# Altium PCB STM32F103最小系统板.PcbDoc (part 1 of 2)
Units mm, origin at the board's own origin, x right, y up, seen from the top; angles counter-clockwise.
Board outline 88.77 x 107.95 mm, 2 copper layers (Top Layer, Bottom Layer); 199 components, 158 nets, 632 pads, 213 vias.
Unrouted connection lines stored in the file: 1.
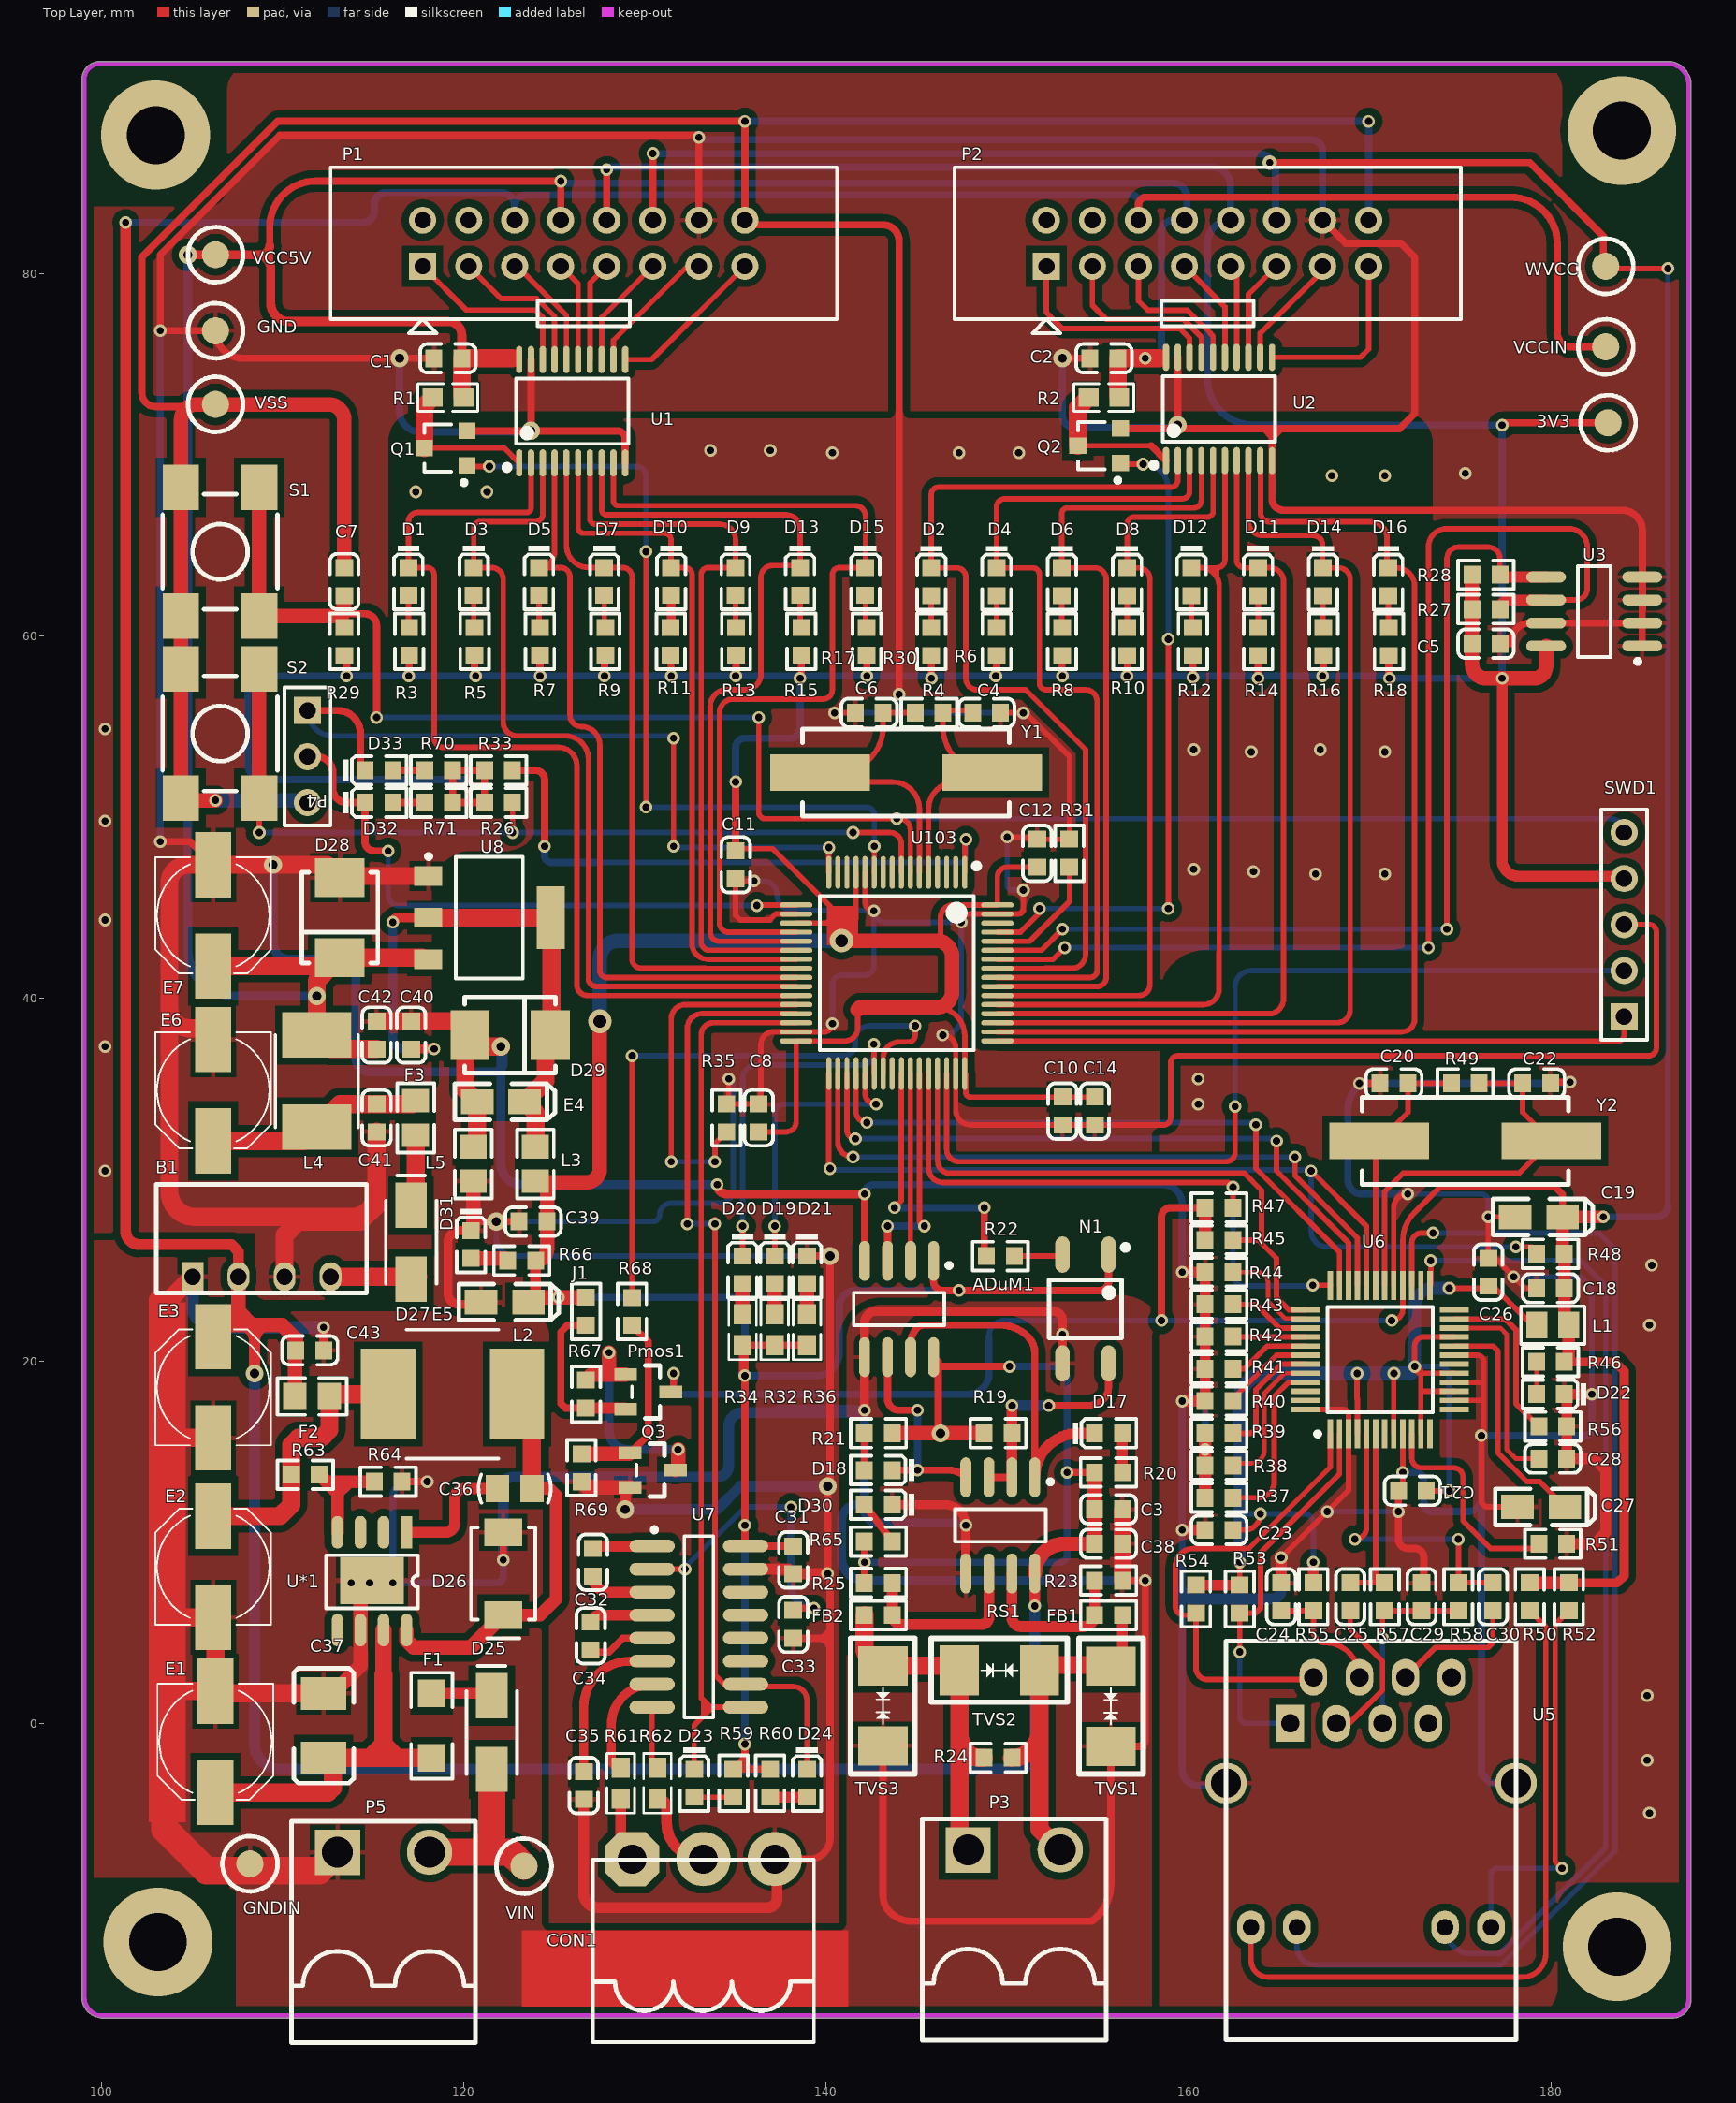
[diagram p0: Top Layer view]
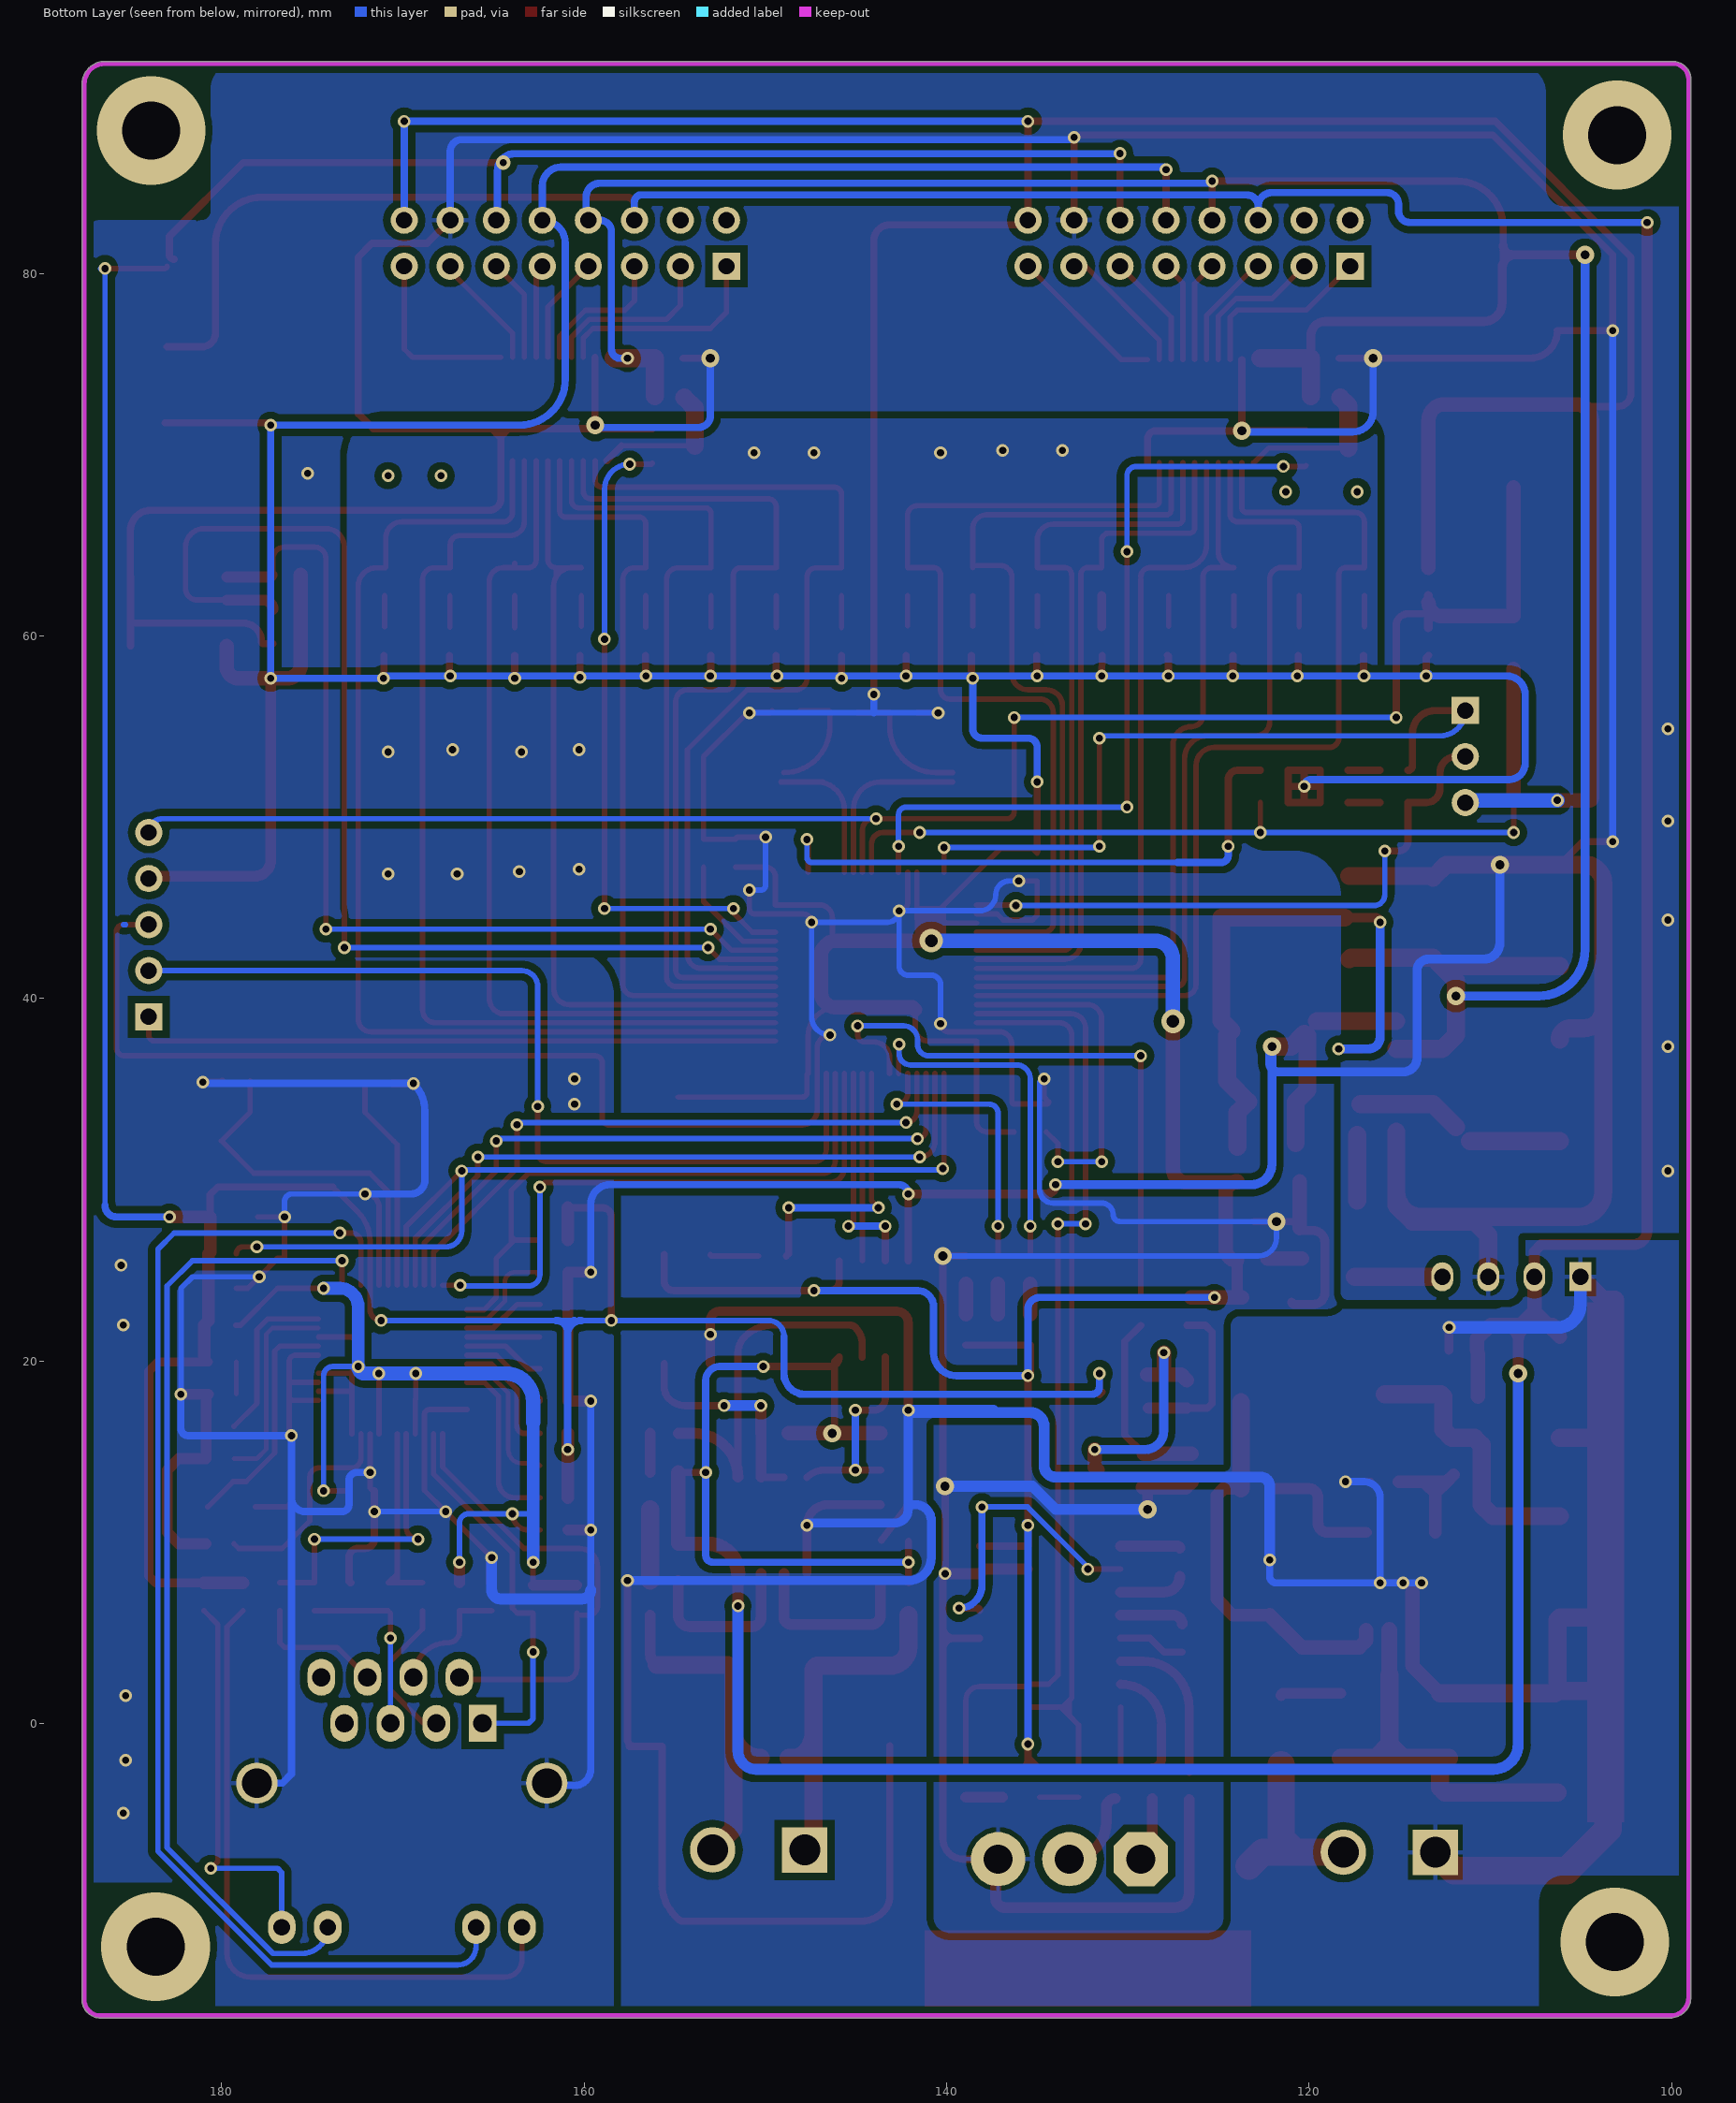
[diagram p1: Bottom Layer view, seen from below]
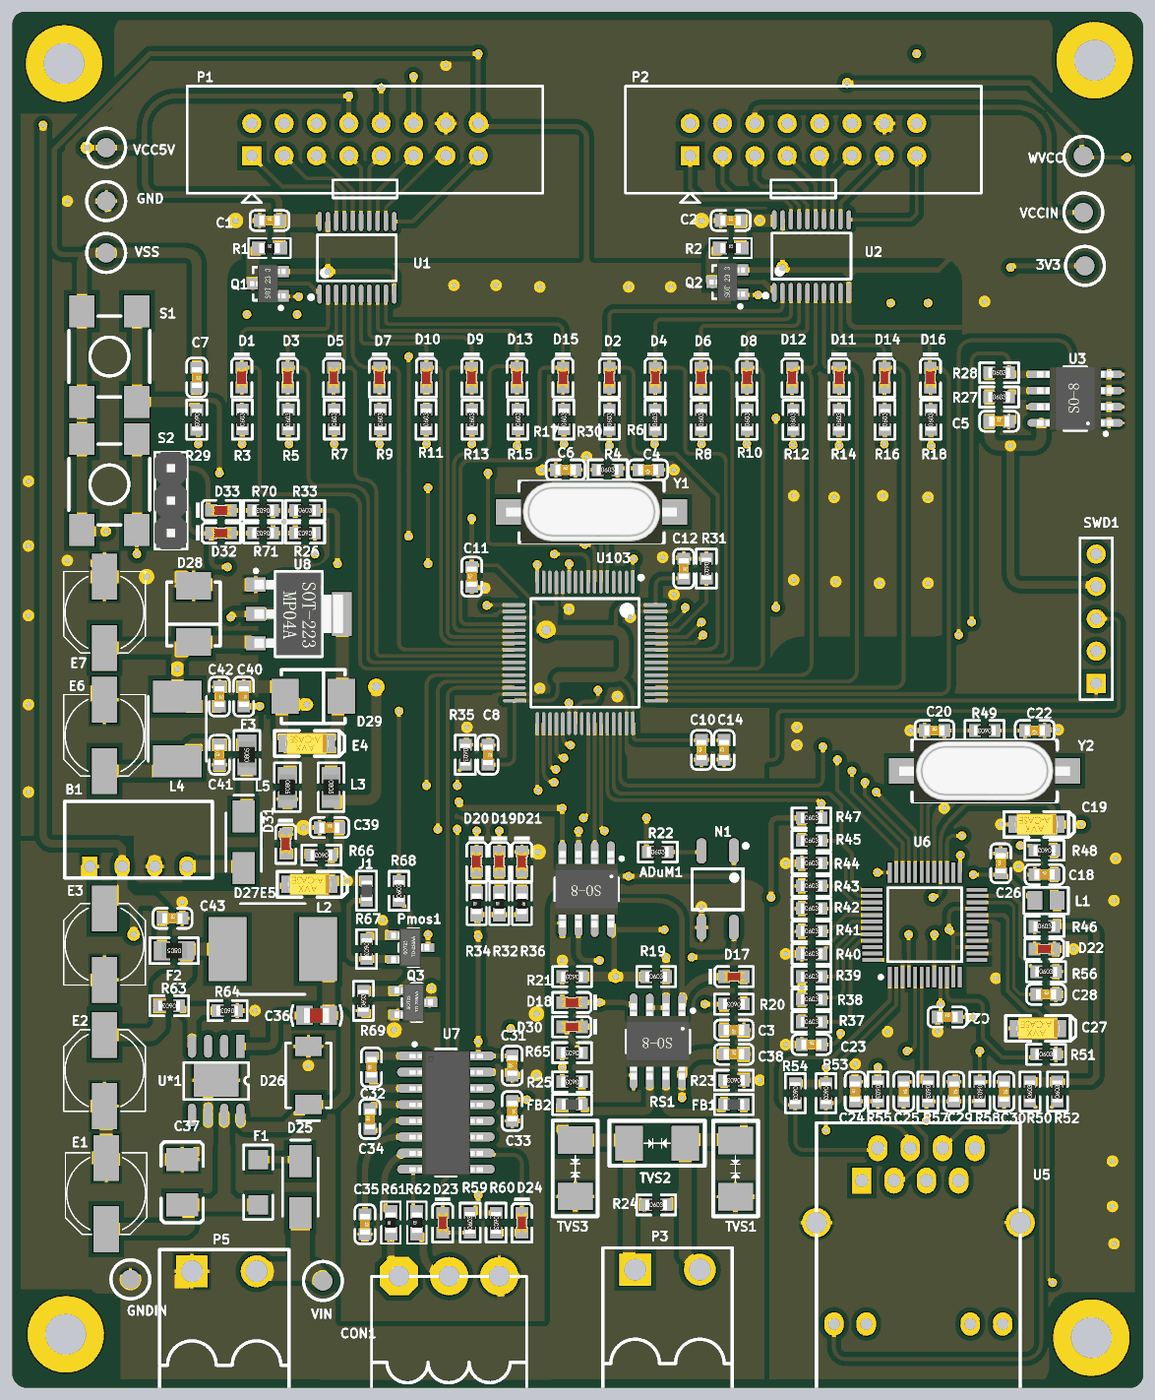
[diagram p3: 3D render of the assembled board from above, using the file's embedded part models]

## Layer stack, top to bottom
Top Solder: solder mask 0.0102, Solder Resist, Dk 3.5
Top Layer: signal copper 0.0356
Dielectric 1: dielectric 0.32, FR-4, Dk 4.8
Bottom Layer: signal copper 0.0356
Bottom Solder: solder mask 0.0102, Solder Resist, Dk 3.5

## Board outline
98.933,-15.113 98.933,90.7 cw(c99.927,90.7) 99.943,91.694 cw(c99.949,91.567) 99.949,91.694 186.436,91.694 cw(c186.436,90.424) 187.693,90.608 cw(c187.579,90.551) 187.706,90.551 187.706,-15.24 cw(c186.69,-15.24) 186.69,-16.256 100.076,-16.256 cw(c100.076,-15.113)

## Design rules (kind name [scope] priority, off if disabled: settings)
Clearance Clearance-poly [InPolygon] p1: gap=0.4
Clearance Clearance-track [All] p2: gap=0.2
PolygonConnect PolygonConnect_via [IsVia] p1: connectstyle=Direct reliefconductorwidth=0.254 reliefentries=4 polygonreliefangle="90 Angle" airgapwidth=0.254
PolygonConnect PolygonConnect_pad [All] p2: connectstyle=Relief reliefconductorwidth=0.254 reliefentries=4 polygonreliefangle="90 Angle" airgapwidth=0.254
RoutingVias [All] p1: holewidth=0.4 width=0.7 viastyle="Through Hole" minholewidth=0.3 minwidth=0.3 maxholewidth=2 maxwidth=2
SilkToSolderMaskClearance [IsPad] p1: minsilkscreentomaskgap=0 clearancetoexposedcopper=TRUE
SolderMaskExpansion [All] p1: expansion=0.102
Width [All] p1: maxlimit=2 minlimit=0.254 preferedwidth=0.4
29 further rules are at their usual default settings.

## Classes and differential pairs
component class W5500: C18 C19 C20 C21 C22 C23 C24 C25 C26 C27 C28 C29 C30 D22 L1 R37 R38 R39 R40 R41 R42 R43 R44 R45 R46 R47 R48 R49 R50 R51 R52 R53 R54 R55 R56 R57 R58 U5 U6 Y2
component class STM32F103最小系统板: C4 C5 C6 C7 C8 C10 C11 C12 C14 D19 D20 D21 D32 D33 P4 R26 R27 R28 R29 R30 R31 R32 R33 R34 R35 R36 R70 R71 S1 S2 SWD1 U3 U103 Y1
component class RS485: ADuM1 C3 D17 D18 FB1 FB2 N1 P3 R19 R20 R21 R22 R23 R24 R25 RS1 TVS1 TVS2 TVS3
component class POWER: 3V3 B1 C36 C37 C38 C39 C40 C41 C42 C43 D25 D26 D27 D28 D29 D30 D31 E1 E2 E3 E4 E5 E6 E7 F1 F2 F3 GND GNDIN J1 L2 L3 L4 L5 P5 Pmos1 Q3 R63 R64 R65 R66 R67 R68 R69 U8 U*1 VCC5V VCCIN VIN VSS WVCC
component class 232串口: C31 C32 C33 C34 C35 CON1 D23 D24 R59 R60 R61 R62 U7
component class 74HC245: C1 C2 D1 D2 D3 D4 D5 D6 D7 D8 D9 D10 D11 D12 D13 D14 D15 D16 P1 P2 Q1 Q2 R1 R2 R3 R4 R5 R6 R7 R8 R9 R10 R11 R12 R13 R14 R15 R16 R17 R18 U1 U2

## Components (designator, comment, footprint, x,y, rotation, side; value= is the part's Value field where it differs from the comment)
3V3 "CHECK" CHECK-B 183.134,71.755 r270 top
ADuM1 "ADuM1201" SOIC-8 144.018,22.86 r270 top
B1 "B0505" B0505D-1WR2 105.029,24.638 r0 top
C1 "104" LC-0603_C 119.126,75.311 r0 top
C2 "104" LC-0603_C 155.321,75.311 r0 top
C3 "104" LC-0603_C 155.575,11.811 r180 top
C4 "22pF" LC-0603_C 148.844,55.753 r180 top
C5 "104" LC-0603_C 176.403,59.563 r0 top
C6 "22pF" LC-0603_C 142.367,55.753 r0 top
C7 "100nf" LC-0603_C 113.411,62.992 r270 top
C8 "100nf" LC-0603_C 136.271,33.401 r270 top
C10 "100nf" LC-0603_C 153.035,33.782 r90 top
C11 "100nf" LC-0603_C 135.001,47.371 r90 top
C12 "100nf" LC-0603_C 151.638,48.006 r270 top
C14 "100nf" LC-0603_C 154.813,33.782 r90 top
C18 "104" LC-0603_C 179.959,24.003 r0 top
C19 "10uF" LC-CASE-A_3216 179.324,27.94 r0 top
C20 "18pF" LC-0603_C 171.323,35.306 r0 top
C21 "104" LC-0603_C 172.339,12.827 r0 top
C22 "18pF" LC-0603_C 179.197,35.306 r180 top
C23 "104" LC-0603_C 161.671,10.668 r0 top
C24 "0.22uF" LC-0603_C 165.1,6.985 r90 top
C25 "6.8nF" LC-0603_C 168.91,6.985 r270 top
C26 "104" LC-0603_C 176.53,24.892 r90 top
C27 "4.7uF" LC-CASE-A_3216 179.451,11.938 r0 top
C28 "103" LC-0603_C 180.086,14.605 r0 top
C29 "103" LC-0603_C 172.847,6.985 r270 top
C30 "6.8nF" LC-0603_C 176.784,6.985 r270 top
C31 "100nF" LC-0603_C 138.176,9.017 r90 top
C32 "100nf" LC-0603_C 127.127,8.89 r90 top
C33 "100nf" LC-0603_C 138.176,5.461 r270 top
C34 "100nf" LC-0603_C 127,4.826 r90 top
C35 "100nf" LC-0603_C 126.619,-3.429 r270 top
C36 "0.01uF" C-0805 122.809,12.954 r180 top
C37 "100nf" C-1210 112.268,-0.127 r90 top
C38 "104" LC-0603_C 155.575,9.906 r0 top
C39 "100nf" LC-0603_C 123.825,27.686 r0 top
C40 "100nf" LC-0603_C 117.094,37.973 r270 top
C41 "100nf" LC-0603_C 115.189,33.401 r90 top
C42 "100nf" LC-0603_C 115.189,37.973 r270 top
C43 "104" LC-0603_C 111.506,20.574 r0 top
CON1 "CON3" VH3.96-W-3P 129.286,-7.493 r0 top
D1 "蓝灯 0603" LC-0603_LED_S1 116.947,63 r270 top
D2 "蓝灯 0603" LC-0603_LED_S1 145.796,62.984 r270 top
D3 "蓝灯 0603" LC-0603_LED_S1 120.549,63 r270 top
D4 "蓝灯 0603" LC-0603_LED_S1 149.398,62.984 r270 top
D5 "蓝灯 0603" LC-0603_LED_S1 124.15,63 r270 top
D6 "蓝灯 0603" LC-0603_LED_S1 152.999,62.984 r270 top
D7 "蓝灯 0603" LC-0603_LED_S1 127.752,63 r270 top
D8 "蓝灯 0603" LC-0603_LED_S1 156.601,62.984 r270 top
D9 "蓝灯 0603" LC-0603_LED_S1 134.997,63 r270 top
D10 "蓝灯 0603" LC-0603_LED_S1 131.441,63 r270 top
D11 "蓝灯 0603" LC-0603_LED_S1 163.83,62.992 r270 top
D12 "蓝灯 0603" LC-0603_LED_S1 160.147,62.992 r270 top
D13 "蓝灯 0603" LC-0603_LED_S1 138.557,63 r270 top
D14 "蓝灯 0603" LC-0603_LED_S1 167.406,62.984 r270 top
D15 "蓝灯 0603" LC-0603_LED_S1 142.159,63 r270 top
D16 "蓝灯 0603" LC-0603_LED_S1 171.008,62.984 r270 top
D17 "绿灯 0603" LC-0603_LED_S1 155.575,16.002 r0 top
D18 "绿灯 0603" LC-0603_LED_S1 142.875,13.97 r180 top
D19 "绿灯 0603" LC-0603_LED_S1 137.16,25.019 r270 top
D20 "绿灯 0603" LC-0603_LED_S1 135.382,25.019 r270 top
D21 "绿灯 0603" LC-0603_LED_S1 138.938,25.019 r270 top
D22 "蓝灯 0603" LC-0603_LED_S1 179.959,18.161 r180 top
D23 "绿灯 0603" LC-0603_LED_S1 132.715,-3.302 r270 top
D24 "绿灯 0603" LC-0603_LED_S1 138.938,-3.302 r270 top
D25 "SS34" D-SMA 121.539,-0.508 r90 top
D26 "Diode-Z" D-SMB 122.174,8.255 r270 top
D27 "SS34" D-SMA 117.094,26.543 r90 top
D28 "smbj5.0ca" LC-SMB(DO-214AA)_S1 113.157,44.45 r90 top
D29 "smbj5.0ca" LC-SMB(DO-214AA)_S1 122.555,37.973 r180 top
D30 "红灯 0603" LC-0603_LED_S1 142.875,12.065 r180 top
D31 "绿灯 0603" LC-0603_LED_S1 120.396,26.416 r270 top
D32 "绿灯 0603" LC-0603_LED_S1 115.316,52.578 r0 top
D33 "绿灯 0603" LC-0603_LED_S1 115.316,50.8 r0 top
E1 "220uF/16V" C-RB-SD6 106.299,-1.016 r90 top
E2 "220uF/16V" C-RB-SD6 106.172,8.636 r270 top
E3 "TAJA106M010RNJ" C-RB-SD6 106.172,18.542 r270 top
E4 "TAJA106M010RNJ" LC-CASE-A_3216 122.047,34.29 r0 top
E5 "TAJA106M010RNJ" LC-CASE-A_3216 122.261,23.241 r0 top
E6 "220uF" C-RB-SD6 106.172,34.925 r90 top
E7 "22uF" C-RB-SD6 106.172,44.577 r90 top
F1 "Fuse2" 1206 118.237,-0.127 r270 top
F2 "SMD0805P050TF/500mA" 0805-1 111.633,18.034 r180 top
F3 "SMD0805P050TF" 0805-1 117.348,33.401 r90 top
FB1 "0R" LC-0603_L 155.575,5.969 r180 top
FB2 "0R" LC-0603_L 142.875,5.969 r0 top
GND "CHECK" CHECK-B 106.299,76.835 r270 top
GNDIN "CHECK" CHECK-B 108.204,-7.747 r0 top
J1 "0R" LC-0603_L 126.746,22.733 r90 top
L1 "1uH" LC-0805_L 180.086,21.971 r180 top
L2 "Inductor" L-SMD-7 119.38,18.161 r180 top
L3 "Inductor" 0805-1 123.952,30.861 r270 top
L4 "Inductor" L-SMD-3 111.887,35.433 r90 top
L5 "Inductor" 0805-1 120.523,30.861 r270 top
N1 "EL357" lc-sop-4_P2.54 154.305,22.86 r270 top
P1 "Header 8X2" DC3-16P-2.54mm 126.619,81.661 r180 top
P2 "Header 8X2" DC3-16P-2.54mm 161.036,81.661 r180 top
P3 "Header 2" WJ2EDGR508-2 147.828,-6.985 r0 top
P4 "Header 3" HDR3X1-2.54 111.379,55.88 r270 top
P5 "Header 2" WJ2EDGR508-2 113.03,-7.112 r0 top
Pmos1 "SI2301" LC-SOT-23(SOT-23-3) 130.175,18.288 r180 top
Q1 "NPN" SOT23-3 118.999,70.358 r90 top
Q2 "NPN" SOT23-3 155.067,70.485 r90 top
Q3 "S8050" LC-SOT-23(SOT-23-3) 130.429,13.97 r180 top
R1 "Res1" 0603-1 119.126,73.152 r0 top
R2 "Res1" 0603-1 155.321,73.152 r0 top
R3 "1.5KΩ (1501) ±1%" LC-0603_R 116.988,59.698 r90 top
R4 "1.5KΩ (1501) ±1%" LC-0603_R 145.796,59.69 r90 top
R5 "1.5KΩ (1501) ±1%" LC-0603_R 120.595,59.698 r90 top
R6 "1.5KΩ (1501) ±1%" LC-0603_R 149.403,59.69 r90 top
R7 "1.5KΩ (1501) ±1%" LC-0603_R 124.202,59.698 r90 top
R8 "1.5KΩ (1501) ±1%" LC-0603_R 153.01,59.69 r90 top
R9 "1.5KΩ (1501) ±1%" LC-0603_R 127.809,59.698 r90 top
R10 "1.5KΩ (1501) ±1%" LC-0603_R 156.616,59.69 r90 top
R11 "1.5KΩ (1501) ±1%" LC-0603_R 131.415,59.698 r90 top
R12 "1.5KΩ (1501) ±1%" LC-0603_R 160.223,59.69 r90 top
R13 "1.5KΩ (1501) ±1%" LC-0603_R 135.022,59.698 r90 top
R14 "1.5KΩ (1501) ±1%" LC-0603_R 163.83,59.69 r90 top
R15 "1.5KΩ (1501) ±1%" LC-0603_R 138.629,59.698 r90 top
R16 "1.5KΩ (1501) ±1%" LC-0603_R 167.437,59.69 r90 top
R17 "1.5KΩ (1501) ±1%" LC-0603_R 142.236,59.698 r90 top
R18 "1.5KΩ (1501) ±1%" LC-0603_R 171.044,59.69 r90 top
R19 "1K" LC-0603_R 149.479,16.002 r0 top
R20 "1K" LC-0603_R 155.575,13.843 r180 top
R21 "1K" LC-0603_R 142.875,16.002 r180 top
R22 "200R" LC-0603_R 149.606,25.781 r0 top
R23 "1K" LC-0603_R 155.575,7.874 r180 top
R24 "120R" LC-0603_R 149.479,-1.905 r0 top
R25 "1K" LC-0603_R 142.875,7.747 r180 top
R26 "0R" LC-0603_R 121.92,52.578 r0 top
R27 "10K" LC-0603_R 176.403,61.468 r0 top
R28 "10K" LC-0603_R 176.403,63.373 r0 top
R29 "10K" LC-0603_R 113.411,59.69 r270 top
R30 "1M" LC-0603_R 145.669,55.753 r0 top
R31 "10K" LC-0603_R 153.416,48.006 r270 top
R32 "1K" 0603-1 137.16,21.717 r90 top
R33 "10K" LC-0603_R 121.92,50.8 r180 top
R34 "1K" 0603-1 135.382,21.717 r90 top
R35 "10K" LC-0603_R 134.493,33.401 r270 top
R36 "1K" 0603-1 138.938,21.717 r270 top
R37 "10K" LC-0603_R 161.671,12.446 r0 top
R38 "10K" LC-0603_R 161.671,14.224 r0 top
R39 "10K" LC-0603_R 161.671,16.002 r0 top
R40 "10K" LC-0603_R 161.671,17.78 r0 top
R41 "10K" LC-0603_R 161.671,19.558 r0 top
R42 "10K" LC-0603_R 161.671,21.336 r0 top
R43 "10K" LC-0603_R 161.671,23.114 r0 top
R44 "10K" LC-0603_R 161.671,24.892 r0 top
R45 "10K" LC-0603_R 161.671,26.67 r0 top
R46 "1K" LC-0603_R 179.959,19.939 r0 top
R47 "10K" LC-0603_R 161.671,28.448 r0 top
R48 "10K" LC-0603_R 179.959,25.908 r180 top
R49 "1M" LC-0603_R 175.26,35.306 r180 top
R50 "1K" LC-0603_R 178.816,6.985 r90 top
R51 "12.4K" LC-0603_R 180.086,9.906 r0 top
R52 "1K" LC-0603_R 180.975,6.985 r90 top
R53 "49R9" LC-0603_R 162.814,6.858 r270 top
R54 "49R9" LC-0603_R 160.401,6.858 r270 top
R55 "10R" LC-0603_R 166.878,6.985 r270 top
R56 "10K" LC-0603_R 180.086,16.383 r0 top
R57 "82R" LC-0603_R 170.815,6.985 r270 top
R58 "82R" LC-0603_R 174.879,6.985 r270 top
R59 "1K" LC-0603_R 134.874,-3.302 r90 top
R60 "1K" LC-0603_R 136.906,-3.302 r270 top
R61 "R5@1M" 0603-1 128.651,-3.302 r90 top
R62 "R5@1M" 0603-1 130.683,-3.302 r90 top
R63 "10K" LC-0603_R 111.252,13.716 r180 top
R64 "3.24K" LC-0603_R 115.824,13.335 r180 top
R65 "1.5KΩ (1501) ±1%" LC-0603_R 142.875,10.033 r180 top
R66 "10K" LC-0603_R 123.198,25.527 r180 top
R67 "10K" LC-0603_R 126.746,18.161 r270 top
R68 "2K" LC-0603_R 129.286,22.725 r90 top
R69 "10K" LC-0603_R 126.492,14.097 r90 top
R70 "10K" LC-0603_R 118.618,50.8 r180 top
R71 "10K" LC-0603_R 118.618,52.578 r180 top
RS1 "MAX3085E" SOIC-8 149.606,10.922 r270 top
S1 "SW-PB4" SW_PB4_A1 106.553,64.643 r90 top
S2 "SW-PB4" SW_PB4_A1 106.553,54.61 r270 top
SWD1 "Header 5" HDR1X5 184.023,38.989 r90 top
TVS1 "P6KE6.8CA" TVS 155.702,3.175 r270 top
TVS2 "P6KE6.8CA" TVS 147.32,2.921 r0 top
TVS3 "P6KE6.8CA" TVS 143.129,-1.27 r90 top
U1 "74HC245" LC-TSSOP-20 125.984,72.39 r0 top
U2 "74HC245" LC-TSSOP-20 161.671,72.517 r0 top
U3 "AT24C256CSSHLT" SOIC-8 182.372,61.341 r180 top
U5 "HR911105A" HR911105A 178.054,-3.302 r270 top
U6 "W5500" LQFP48 170.561,20.066 r180 top
U7 "SP232EEN" SOIC-16 132.969,5.334 r0 top
U8 "ASM1117" SOT223 121.412,44.45 r270 top
U103 "STM32F103RBT6-64" LC-LQFP-64_10x10x05P 143.891,41.402 r180 top
U*1 "TPS5430" SOIC8 116.84,10.541 r270 top
VCC5V "CHECK" CHECK-B 106.299,81.026 r0 top
VCCIN "CHECK" CHECK-B 183.007,75.946 r0 top
VIN "CHECK" CHECK-B 123.317,-7.874 r270 top
VSS "CHECK" CHECK-B 106.299,72.771 r270 top
WVCC "CHECK" CHECK-B 183.007,80.391 r0 top
Y1 "X49SM8MSD2SI" LC-HC-49SMD 144.399,52.451 r0 top
Y2 "25MHz" LC-HC-49SMD 175.26,32.131 r0 top
